# Altium PCB Fri3d_2020_Time_Blaster_01.PcbDoc (part 1 of 2) (continued)
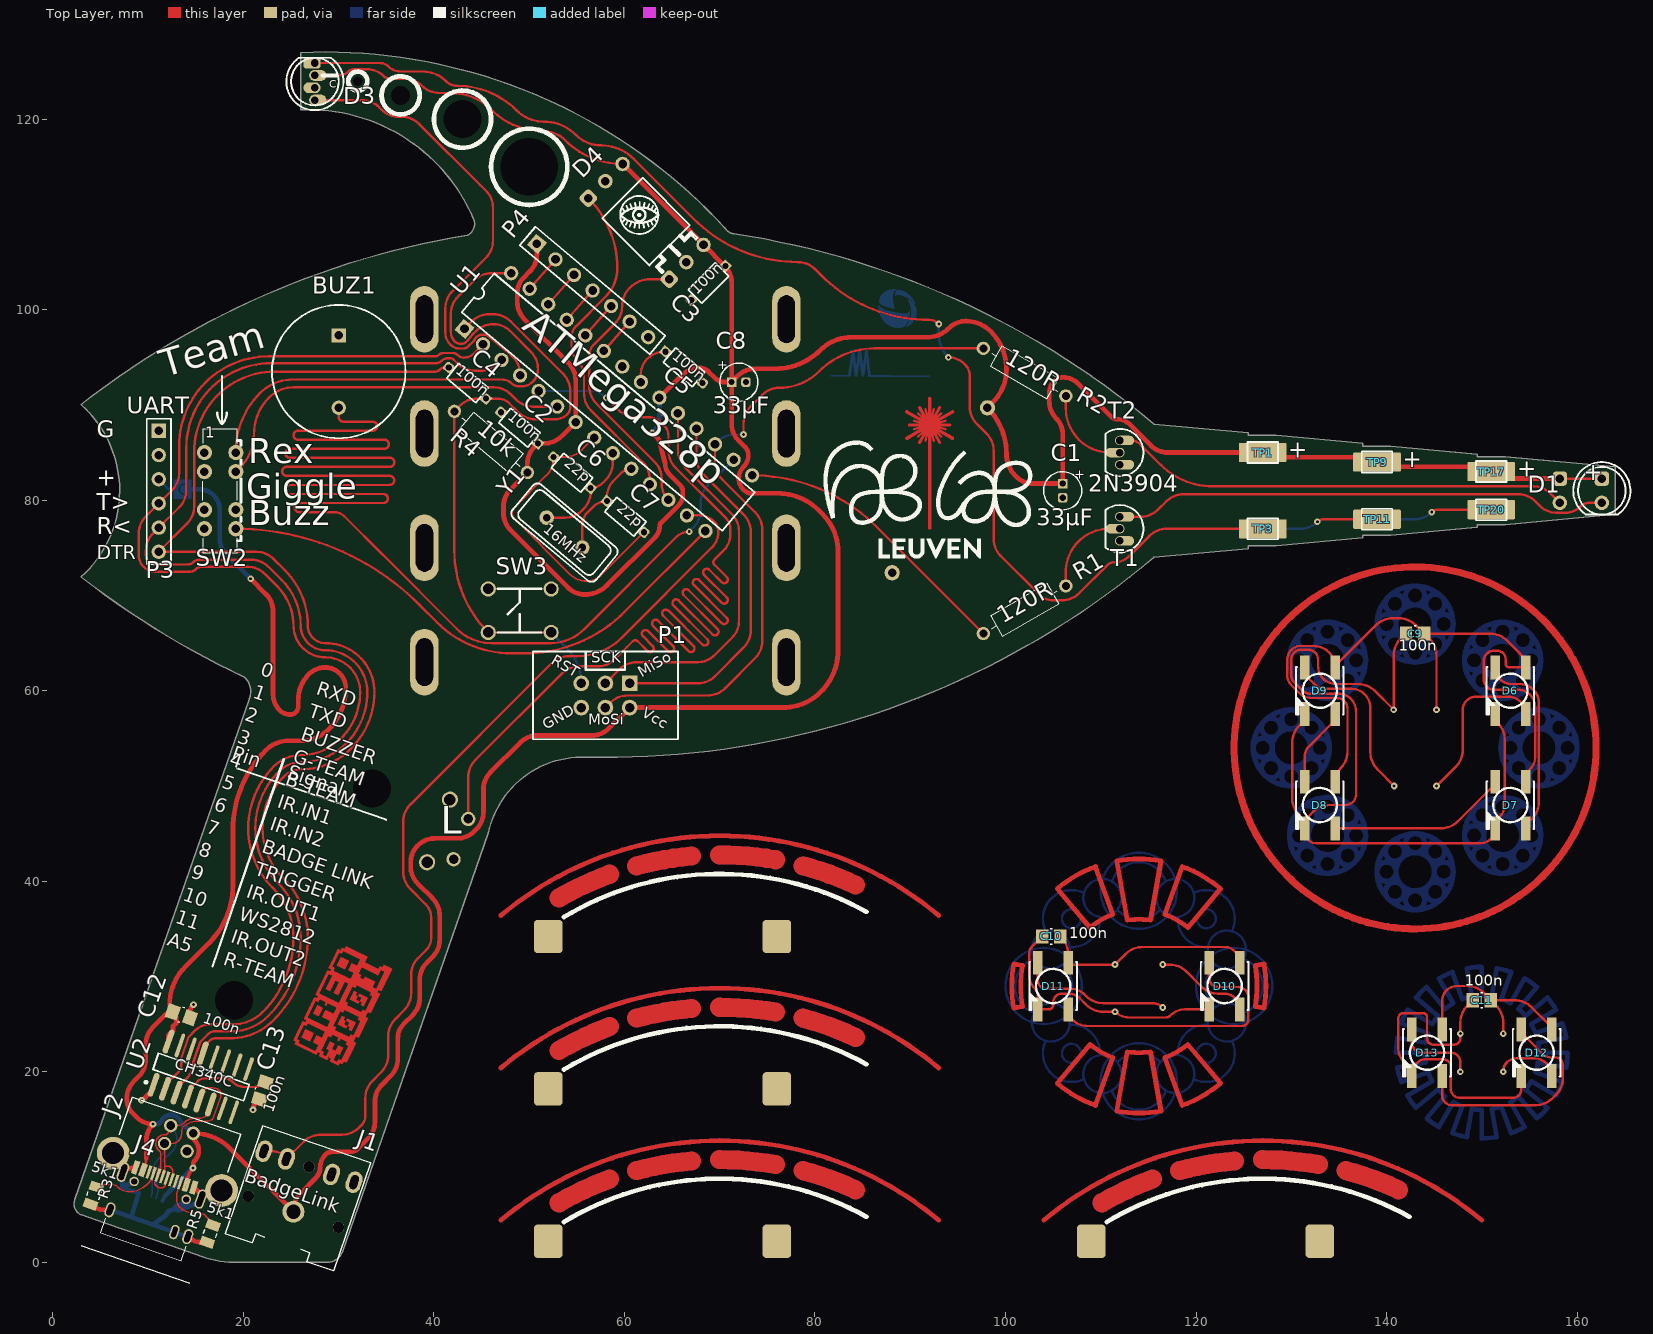
[diagram p0: Top Layer view]
## Part data
BAT1: library part "BAT 20mm Coin Cell Holder Generic", "=Description", Supplier 1=China
BUZ1: library part "BUZ CUI CEP-1162", "Crystal Oscillator", Supplier Part Number 1=102-1134-ND, Supplier 1=Digi-key, Supplier 2=LCSC, Supplier Part Number 2=C360604
C1 C8: library part "CAP 13uF 16V 4x7", "Capacitor electrolyt", Supplier Part Number 1=C3314, Supplier 1=LCSC
C2 C3 C4 C5: library part "CAP 100nF 50V 5.08mm", "Capacitor Ceramic", Supplier Part Number 1=C84772, Supplier 1=LCSC
C6 C7: library part "CAP 22pF 50V 5.08mm", "Capacitor Ceramic", Supplier Part Number 1=C263190, Supplier 1=LCSC
C9 C10 C11 C12 C13: library part "CAP # 100nF 16V 0805", "Capacitor Ceramic"
D1 D2: library part "LED IR 5mm TSAL6400", "=Description", Supplier Part Number 1=3152868, Supplier 1=Farnell
D3: library part "LED RGB WS2812 5mm", "=Description", Supplier Part Number 1=C190565, Supplier 1=LCSC
D4 D5: library part "PHO IR Rx RA", "=Description", Supplier Part Number 1=C264262, Supplier 1=LCSC
D6 D7 D8 D9 D10 D11 D12 D13: library part "LED # RGB WS2812B-5050 BL", "=Description", Supplier Part Number 1="WS2812B Black 5050", Supplier 1=Aliexpress
J1: library part "AUDIO JACK 3.5 3c SJ1-3525NG", "=Description", Supplier Part Number 1=CP1-3525NG-ND, Supplier 1=Digi-key
J2: library part "USB B VERTICAL 61400416121", Supplier Part Number 1=1642035, Supplier 1=Farnell, Supplier 2=LCSC, Supplier Part Number 2=C46392
J3: library part "USB # Micro B TH XKB U254-051T-4BH81-S2S", Supplier Part Number 1=C381144, Supplier 1=LCSC
J4: library part "USB # C 2.0 RCPT TYPE-C-31-M-12", Supplier Part Number 1="HRO TYPE-C-31-M-12", Supplier 1=China, Supplier 2=LCSC, Supplier 3="LCSC ALT", Supplier Part Number 2=C165948, Supplier Part Number 3="C167321 / C319148"
P1: library part "Pin Header 2.54mm dual row 6way Boxed"
P2: library part "SOLDER SW V 1MM"
P3: library part "Pin Header 2.54mm 6way"
P4: library part "Pin Header 2.54mm 7way"
R1 R2: library part "RES 120R 1/4W", Supplier Part Number 1=C58684, Supplier 1=LCSC
R3 R5: library part "RES # 5K1 0805"
R4: library part "RES 10k 1/4W", Supplier Part Number 1=C58673, Supplier 1=LCSC
SW1: library part "SW TACT RA 3,85mm 431256038716", Supplier Part Number 1=431256038716, Supplier 1=Wurth, Supplier 2=Mouser, Supplier Part Number 2=710-431256038716
SW2: library part "SW Slide DP3T C&K JS203011CQN", Supplier Part Number 1=401-2004-ND, Supplier 1=Digi-key, Supplier 2=LCSC, Supplier Part Number 2=K3-2336D-F1
SW3: library part "SW TACT"
T1 T2: library part "2N3904 NPN 0.2A", Supplier Part Number 1=1700648, Supplier 1=Farnell, Supplier 2=LCSC, Supplier Part Number 2=C118538
TP1 TP2 TP3 TP4 TP5 TP6 TP7 TP8 TP9 TP10 TP11 TP12 TP13 TP14 TP15 TP16 TP17 TP18 TP19 TP20 TP21 TP22 TP23 TP24: library part "TP # 2x3mm", Supplier Part Number 1="FOOTPRINT ONLY", Supplier 1=XXX
U1: library part "AVR ATMega 328p MCU PDIP", Supplier Part Number 1=C33901, Supplier 1=LCSC, Supplier 2=Mouser, Supplier Part Number 2=556-ATMEGA328P-PU
U2: library part "CH340C # UCB UART", "=Description", Supplier Part Number 1=C84681, Supplier 1=LCSC
Y1: library part "XTAL 16Mhz HC49US", "Crystal Oscillator", Supplier Part Number 1=2508458, Supplier 1=Farnell

## Free pads (board coordinates)
  round 0 hole 4 unplated mask+0.05: 1(19,27.5) 1(33.5,49.75) 1(43,120)
  round 0 hole 1 unplated mask+0.05: 1(32,124)
  round 0 hole 2 unplated mask+0.05: 1(36.5,122.5)
  round 0 hole 6 unplated mask+0.05: 1(50,115)
  oval 3x7 hole 1.8 slot 5 at 90 deg: 3(39,63) 3(39,75) 3(39,87) 3(39,99) 3(77,63) 3(77,75) 3(77,87) 3(77,99)
  rrect25% 3x3.5 smd: 5(52,2.2) 5(52,18.2) 5(52,34.2) 5(76,2.2) 5(76,18.2) 5(76,34.2) 5(109,2.2) 5(133,2.2)
  rrect25% 3x3.5 smd far side: 5(52,2.2) 5(52,18.2) 5(52,34.2) 5(76,2.2) 5(76,18.2) 5(76,34.2) 5(109,2.2) 5(133,2.2)

## Via types
v1: diameter 0.7, hole 0.3, Top Layer to Bottom Layer, 26 vias

## Nets (pads, with @x,y where several pads share a name; then routed paths per layer and width w, separated by ;. In a path a pad name is that pad's centre, name@x,y a point inside that pad or via, vN(x,y) a via of type N, cw(c..) or ccw(c..) an arc to the next point about the centre after c; other vN are vias at no path point)
A0: P4.6 U1.23 | length 4.1
  Top Layer w0.25: U1.23@57.83,95.668 P4.6@60.54,98.75
A1: P4.5 U1.24 | length 4.1
  Top Layer w0.25: U1.24@55.885,97.3 P4.5@58.594,100.383
A2: P4.4 U1.25 | length 4.1
  Top Layer w0.25: U1.25@53.939,98.933 P4.4@56.648,102.015
A3: P4.3 U1.26 | length 4.1
  Top Layer w0.25: U1.26@51.993,100.566 P4.3@54.703,103.648
A4: P4.2 U1.27 | length 4.1
  Top Layer w0.25: U1.27@50.047,102.198 P4.2@52.757,105.281
AREF: C5.1 U1.21 | length 4.7
  Top Layer w0.25: U1.21@61.722,92.402 61.722,93.239 cw(c63.984,93.239) 62.384,94.839 cw(c64.181,93.043) 64.181,95.583 C5.1@64.3,95.583
B_IN: D3.1 TP3.1 | length 133
  Top Layer w0.25: D3.1@27.4,125.9 34.284,125.9 cw(c34.284,124.534) 35.25,125.5 ccw(c36.457,126.707) 36.457,125 38.836,125 cw(c38.836,121.586) 41.25,124 ccw(c42.457,125.207) 42.457,123.5 cw(c42.457,114.701) 48.679,120.923 ccw(c51.51,123.755) 51.51,119.75 cw(c51.51,114.947) 54.907,118.343 ccw(c57.546,120.982) 57.546,117.25 cw(c57.546,112.412) 60.967,115.833 67.276,109.524 ccw(c78.198,120.446) 78.198,105 cw(c78.198,102.46) 79.994,104.256 80.623,103.627 ccw(c91.955,114.958) 91.955,98.933 cw(c91.955,97.455) v1(93,98.5) ; v1(94,95) cw(c94,92.586) 95.707,94.293 95.75,94.25 cw(c94.543,93.043) 96.25,93.043 96.25,89.802 ccw(c98.79,89.802) 96.994,88.006 98.006,86.994 cw(c96.21,85.198) 98.75,85.198 98.75,75.952 ccw(c101.29,75.952) 99.494,74.156 103.512,70.138 ccw(c105.052,71.678) 105.052,69.5 105.948,69.5 ccw(c105.948,72.04) 107.744,70.244 110.646,73.146 ; 110.647,73.147 cw(c111.5,72.293) 111.5,73.5 ccw(c111.5,75.552) 112.951,74.101 115.106,76.256 cw(c116.902,74.46) 116.902,77 TP3.1@127,77
  Bottom Layer w0.25: v1(93,98.5) 93,97.414 ccw(c96.414,97.414) v1(94,95)
Bi: D6.4 TP4.1 | length 17.4
  Top Layer w0.25: v1(145.25,50) 147.256,52.006 ccw(c145.46,53.802) 148,53.802 148,57.97 cw(c149.4,57.97) 149.4,59.37 152.78,59.37 cw(c152.78,57.55) D6.4@154.6,57.55
BLUE_TEAM: SW2.8 U1.14 | length 57.8
  Top Layer w0.25: SW2.8@19.2,77 cw(c19.2,49.719) 38.488,69.012 38.492,69.008 40.358,67.142 40.36,67.14 ccw(c48.122,74.902) 48.122,63.925 48.123,63.925 49.538,63.925 49.54,63.925 ccw(c49.54,78.687) 59.98,68.251 U1.14@68.498,76.769
Bo: D9.2 TP5.1 | length 18.4
  Top Layer w0.25: D9.2@131.4,62.45 ccw(c133.164,62.45) 131.917,61.202 132.343,60.776 ccw(c133.734,62.168) 133.734,60.2 136.3,60.2 cw(c136.3,58.2) 138.3,58.2 138.3,53.553 ccw(c140.84,53.553) 139.044,51.757 v1(140.801,50)
BUZZER: BUZ1.2 U1.16 | length 167.9
  Top Layer w0.25: BUZ1.2@30,89.7 30,89.4 30,88.727 ccw(c30.475,88.727) 30.475,88.252 33.561,88.252 cw(c33.561,87.777) 34.036,87.777 cw(c33.561,87.777) 33.561,87.302 25.731,87.302 ccw(c25.731,86.827) 25.256,86.827 ccw(c25.731,86.827) 25.731,86.352 34.794,86.352 cw(c34.794,85.877) 35.269,85.877 cw(c34.794,85.877) 34.794,85.402 24.862,85.402 ccw(c24.862,84.927) 24.387,84.927 ccw(c24.862,84.927) 24.862,84.452 35.369,84.452 cw(c35.369,83.977) 35.844,83.977 cw(c35.369,83.977) 35.369,83.502 24.535,83.502 ccw(c24.535,83.027) 24.06,83.027 ccw(c24.535,83.027) 24.535,82.552 35.346,82.552 cw(c35.346,82.077) 35.821,82.077 cw(c35.346,82.077) 35.346,81.602 24.924,81.602 ccw(c24.924,81.127) 24.449,81.127 ccw(c24.924,81.127) 24.924,80.652 34.69,80.652 cw(c34.69,80.177) 35.165,80.177 cw(c34.69,80.177) 34.69,79.702 25.847,79.702 ccw(c25.847,79.227) 25.372,79.227 ccw(c25.847,79.227) 25.847,78.752 29.537,78.752 cw(c29.537,77.277) 30.58,78.32 34.666,74.234 34.667,74.233 42.388,66.512 42.389,66.511 ccw(c46.036,70.157) 46.036,65 46.038,65 52.274,65 52.276,65 ccw(c52.276,69.887) 55.732,66.432 65.434,76.134 cw(c66.8,74.769) v1(66.8,76.7)
  Bottom Layer w0.25: v1(66.8,76.7) 67.256,77.156 ccw(c65.46,78.952) 68,78.952 68,79.736 cw(c70.54,79.736) 68.744,81.532 U1.16@71.451,84.239
D\T\R\: C4.2 P3.6 U2.13 | length 126.6
  Top Layer w0.25: U2.13@15.731,21.93 cw(c17.182,21.93) 16.156,22.956 16.5,23.3 cw(c16.983,22.817) 16.983,23.5 18.564,23.5 ccw(c18.564,29.985) 23.149,25.399 ccw(c14.457,34.092) 26.75,34.092 ccw(c17.919,34.092) 24.163,40.337 cw(c29.386,45.559) 22,45.559 cw(c29.703,45.559) 24.256,51.006 cw(c26.052,49.21) 26.052,51.75 ccw(c26.052,59.16) 31.292,53.92 ccw(c25.356,59.855) 33.75,59.855 ccw(c28.605,59.855) 28.605,65 cw(c28.605,66.855) 26.75,66.855 ccw(c18.555,66.855) 24.35,72.65 23.164,73.836 ccw(c21.368,72.04) 21.368,74.58 P3.6@11.113,74.58 14.081,77.548 ccw(c12.285,79.344) 14.825,79.344 14.825,85.065 cw(c23.26,85.065) 23.26,93.5 40.117,93.5 ccw(c40.117,94.183) 40.6,93.7 cw(c41.162,93.138) 41.161,93.933 C4.2@41.554,93.933
G_B: C9.2 D6.3 D7.3 D8.3 D9.3 TP8.1 | length 97.3
  Top Layer w0.25: D9.3@131.4,57.55 131.4,57.466 cw(c130.034,57.466) 131,56.5 130.844,56.344 ccw(c132.64,54.548) 130.1,54.548 130.1,48.69 ccw(c132.49,48.69) 130.8,47 cw(c129.351,45.551) D8.3@131.4,45.55 ; C9.2@142,66 141.494,65.494 ccw(c143.29,63.698) 140.75,63.698 v1(140.75,58) 138.794,59.956 ccw(c136.998,58.16) 136.998,60.7 134.7,60.7 cw(c134.7,62.6) 132.8,62.6 132.8,63.3 ccw(c131.8,63.3) 131.8,64.3 131,64.3 ccw(c131,63.301) 130.001,63.301 130.001,61.623 ccw(c131.023,61.623) 130.3,60.9 131.131,60.069 131.133,60.067 ccw(c132.061,60.996) 131.849,59.7 134.924,59.7 cw(c134.924,57.824) 136.8,57.824 136.8,49.1 cw(c135.7,49.1) 135.7,48 134.052,48 ccw(c134.052,45.46) 132.256,47.256 132,47 ccw(c133.449,45.551) D8.3@131.4,45.55 ; D6.3@151.577,57.123 cw(c152.004,57.55) D6.3@151.4,57.55 151.4,57.324 ccw(c152.424,57.324) 151.7,56.6 cw(c150.01,54.91) 152.4,54.91 152.4,48.007 cw(c150.693,48.007) 151.9,46.8 ccw(c153.107,45.593) 151.4,45.593 D7.3@151.4,45.55 cw(c149.85,45.55) 149.85,44 132.6,44 cw(c132.6,45.2) 131.4,45.2 D8.3@131.4,45.55 D8.3@131.4,45.55
G_M: C10.2 D10.3 D11.3 TP16.1 | length 28.5
  Top Layer w0.25: 102.504,32.456 102.504,30.138 ccw(c104.538,30.138) 103.1,28.7 cw(c102.376,27.976) 103.4,27.976 D11.3@103.4,26.55 104.55,26.55 ccw(c104.55,27) 105,27 105,27.3 cw(c105.9,27.3) 105.9,28.2 106.612,28.2 cw(c106.612,26.54) 107.786,27.714 108.456,27.044 ccw(c110.252,28.84) 110.252,26.3 v1(111.5,26.3) ccw(c112.949,27.749) 112.949,25.7 116.817,25.7 ccw(c116.817,26.383) 117.3,25.9 cw(c118.869,24.331) 118.869,26.55 D10.3@121.4,26.55 ; 102.504,32.457 cw(c103.463,32.457) 102.786,33.136 C10.2@103.85,34.2
G_S: C11.2 D12.3 D13.3 TP24.1 | length 38.8
  Top Layer w0.25: C11.2@149.05,27.5 148.494,26.944 ccw(c150.29,25.148) 147.75,25.148 v1(147.75,24) 147.75,23.5 cw(c147.1,23.5) 147.1,22.85 144.9,22.85 cw(c144.9,23.5) 144.25,23.5 144.25,25.72 ccw(c143.82,25.72) 143.82,26.15 141.75,26.15 ccw(c141.75,25.65) 141.25,25.65 141.25,22.4 ccw(c143.061,22.4) 141.78,21.12 142.438,20.462 142.438,19.762 ccw(c142.65,19.762) D13.3@142.65,19.55 cw(c144.581,19.55) 143.216,20.916 143.3,21 cw(c144.024,20.276) 144.024,21.3 145.95,21.3 cw(c145.95,20.5) 146.75,20.5 146.75,18.2 ccw(c147.7,18.2) 147.7,17.25 153.25,17.25 ccw(c153.25,18.15) 154.15,18.15 D12.3@154.15,19.55
GND: BAT1.2 BUZ1.1 C1.2 C2.2 C3.2 C5.2 C6.2 C7.2 C8.2 C12.2 C13.2 D3.3 D4.2 D5.2 J1.2 J1.4 J2.4 J2.MH1 J2.MH2 J3.5 J3.MH1 J3.MH2 J3.MH3 J3.MH4 J4.0 J4.A1 J4.A12 J4.B1 J4.B12 J4.MH1 J4.MH2 J4.MH3 J4.MH4 P1.6 P3.1 P3.2 P4.7 R3.2 R5.2 SW1.2 SW1.MH1 SW1.MH2 SW2.7 SW3.2 T1.3 T2.3 TP7.1 TP15.1 TP23.1 U1.8 U1.22 U2.1 | length 69.4
  Top Layer w0.2: U1.8@56.824,86.565 55.535,85.277 cw(c53.739,87.073) 53.739,84.533 C6.2@52.554,84.533 52.554,84.406 cw(c50.014,84.406) 51.81,82.61 48.483,79.283 ccw(c49.166,78.6) 48.2,78.6 ccw(c48.924,78.6) 48.412,78.088 54.256,72.244 ccw(c56.052,74.04) 56.052,71.5 ccw(c56.052,73.567) 57.514,72.106 C7.2@62.046,76.637
  Top Layer w0.5: R3.2@3.941,6.102 ccw(c5.399,7.56) 5.399,5.498 J4.MH2@5.986,5.498 ; J4.MH1@7.347,9.45 cw(c8.457,8.34) 8.457,9.91 J4.B12@8.7,9.91 ; v1@9.4,17 10.236,17.836 ccw(c9.441,18.632) U2.1@10.566,18.632 ; J4.MH3@14.155,2.685 ccw(c15.563,4.093) 15.563,2.102 R5.2@16.191,2.102 ; C12.2@14.375,25.659 14.375,26.145 cw(c15.655,26.145) v1(14.75,27.05) ; J4.A12@14.921,7.81 15.108,7.622 cw(c14.123,6.637) J4.MH4@15.516,6.637 ; v1(21,16) cw(c21.992,16) 21.291,16.702 C13.2@21.691,17.102
  Bottom Layer w0.5: J4.MH2@5.986,5.498 J3.MH4@8.232,4.725 ; J4.MH1@7.347,9.45 J3.MH4@7.282,8.099 ; J4.0@8.526,8.483 cw(c7.6,9.409) 7.6,8.099 J3.MH4@7.282,8.099 ; J4.MH3@14.155,2.685 J3.MH1@12.746,3.17 J3.MH3@10.501,3.943 ; J4.MH4@15.516,6.637 15.359,6.48 cw(c13.563,8.276) 13.563,5.736 J3.MH3@13.128,5.736 12.126,5.371 11.9,5 11.6,4.7 11.562,4.674 J3.MH3@10.501,3.943 ; J3.MH4@7.282,8.099 J3.MH4@7.265,7.754 J3.5@9.008,7.286 J3.MH4@8.232,4.725 ; J3.MH4@8.232,4.725 J3.MH3@10.501,3.943 ; J3.MH4@8.232,4.725 J3.MH3@10.501,3.943
  Bottom Layer w1: J3.MH3@13.128,5.736 ccw(c13.128,6.599) 13.991,6.599 J4.0@13.991,6.601
  other v1: 9.3,17
GREEN_TEAM: SW2.6 U1.6 | length 39.9
  Top Layer w0.25: SW2.6@19.2,83 19.633,83.433 ccw(c16.092,86.975) 21.1,86.975 cw(c26.473,86.975) 22.674,90.774 cw(c25.272,88.175) 25.272,91.85 46.273,91.85 cw(c46.273,89.31) 48.069,91.106 48.601,90.574 ccw(c50.397,92.37) 50.397,89.83 U1.6@52.932,89.83
IR.IN1: D5.1 U1.11 | length 35.6
  Top Layer w0.25: D5.1@56.204,111.704 cw(c48.85,104.35) 59.25,104.35 cw(c55.018,104.35) 58.011,101.358 54.903,98.25 ccw(c56.025,97.128) 54.438,97.128 54.438,96.116 ccw(c56.378,96.116) 55.006,94.744 cw(c53.21,92.948) 55.75,92.948 55.75,91.202 ccw(c58.29,91.202) 56.494,89.406 61.917,83.983 cw(c60.121,82.187) 62.661,82.187 U1.11@62.661,81.667
IR.IN2: D4.1 U1.12 | length 31.2
  Top Layer w0.25: U1.12@64.607,80.034 cw(c66.313,81.741) 63.9,81.741 63.9,82.248 ccw(c61.36,82.248) 63.156,84.044 57.044,90.156 cw(c58.84,91.952) 56.3,91.952 56.3,95.154 cw(c58.007,95.154) 56.8,96.361 59.006,98.567 ccw(c57.21,100.363) 59.75,100.363 cw(c62.494,100.363) 60.554,102.304 cw(c62.727,100.131) 62.727,103.204 D4.1@64.704,103.204
IR.OUT1: R1.2 U1.15 | length 30.4
  Top Layer w0.25: U1.15@73.396,82.606 cw(c73.396,64.096) 86.485,77.185 R1.2@97.67,66
IR.OUT2: P1.4 R2.2 U1.17 | length 74.8
  Top Layer w0.25: P1.4@58,58.23 58.526,58.756 cw(c60.322,56.96) 60.322,59.5 68.748,59.5 ccw(c68.748,62.04) 70.544,60.244 73.731,63.431 ccw(c71.935,65.227) 74.475,65.227 74.475,76.923 ccw(c71.935,76.923) 73.731,78.719 70.249,82.201 cw(c72.045,83.997) 69.505,83.997 U1.17@69.505,85.872 ; v1(72.5,86.9) 72.5,88.048 cw(c75.04,88.048) 73.244,89.844 74.456,91.056 cw(c76.252,89.26) 76.252,91.8 ccw(c76.252,97.72) 80.438,93.534 cw(c86.239,87.733) 86.239,95.937 R2.2@97.67,95.937
  Bottom Layer w0.25: U1.17@69.505,85.872 69.789,86.156 cw(c71.585,84.36) 71.585,86.9 v1(72.5,86.9)
M_IN: TP6.1 TP11.1 | length 12.3
  Top Layer w0.25: v1(132.744,77.744) cw(c133.362,77.126) 133.362,78 TP11.1@139,78
  Bottom Layer w0.25: TP6.1@127,77 130.948,77 ccw(c130.948,79.54) v1(132.744,77.744)
Mi: D10.4 TP12.1 | length 9.9
  Top Layer w0.25: v1(116.5,31.25) 117.198,31.25 cw(c117.198,28.71) 118.994,30.506 120.556,28.944 ccw(c122.352,30.74) 122.352,28.2 123.034,28.2 cw(c123.034,26.834) 124,27.8 124.317,27.483 cw(c123.634,26.8) D10.4@124.6,26.8
MISO: P1.1 U1.18 | length 38.7
  Top Layer w0.25: P1.1@60.54,60.77 67.693,60.77 ccw(c67.693,63.31) 69.489,61.514 72.506,64.531 ccw(c70.71,66.327) 73.25,66.327 73.25,76.698 ccw(c70.71,76.698) 72.506,78.494 68.303,82.697 cw(c70.099,84.493) 67.559,84.493 U1.18@67.559,87.504
Mo: D11.2 TP13.1 | length 16
  Top Layer w0.25: D11.2@103.4,31.45 103.4,29.6 ccw(c104.3,29.6) 104.3,28.7 106.851,28.7 cw(c106.851,26.651) 108.3,28.1 108.456,27.944 ccw(c110.252,29.74) 110.252,27.2 115.414,27.2 cw(c115.414,25.664) v1(116.5,26.75)
NetC13_1: C13.1 U2.4 | length 9.5
  Top Layer w0.25: U2.4@14.168,17.392 cw(c15.561,17.392) 14.576,18.376 15.2,19 cw(c15.924,18.276) 15.924,19.3 17.934,19.3 cw(c17.934,17.934) 18.9,18.9 ccw(c20.107,20.107) 20.107,18.4 21.106,18.4 ccw(c21.106,20.101) C13.1@22.309,18.898
NetD1_2: D1.2 T1.1 | length 52.2
  Top Layer w0.25: T1.1@112,78.27 114.218,78.27 ccw(c114.218,80.81) 116.014,79.014 116.878,79.878 cw(c118.674,78.082) 118.674,80.622 153.826,80.622 cw(c153.826,78.082) 155.622,79.878 156.1,79.4 ccw(c157.807,81.107) 157.807,78.693 158.835,78.693 ccw(c158.835,80.765) 159.231,78.731 ccw(c158.835,80.765) 160.3,79.3 cw(c161.338,78.262) 161.338,79.73 D1.2@162.6,79.73
NetD2_2: D2.2 T2.1 | length 48.4
  Top Layer w0.25: T2.1@112,86.27 113.207,86.27 cw(c113.207,85.007) 114.099,85.901 ; 114.1,85.9 116.27,83.73 ccw(c121.777,89.238) 121.777,81.449 155.429,81.449 cw(c155.429,78.909) 157.225,80.705 D2.2@158.2,79.73
NetD6_2: D6.2 D7.4 | length 20.8
  Top Layer w0.25: D6.2@151.576,62.024 cw(c152.004,62.45) D6.2@151.4,62.45 ccw(c153.15,62.45) 152.458,60.842 ccw(c153.15,62.45) 153.15,60.7 154,60.7 cw(c154,58.7) 156,58.7 156,48.352 cw(c153.46,48.352) 155.256,46.556 154.847,46.147 ccw(c155.445,45.55) D7.4@154.6,45.55
NetD7_2: D7.2 D8.4 | length 18.8
  Top Layer w0.25: D8.4@134.6,45.55 145.698,45.55 ccw(c145.698,48.09) 147.494,46.294 151.223,50.023 ccw(c150.796,50.45) D7.2@151.4,50.45
NetD8_2: D8.2 D9.4 | length 8.8
  Top Layer w0.25: D8.2@131.4,50.45 131.4,53.048 cw(c132.974,53.048) 131.861,54.161 134.14,56.44 ccw(c133.031,57.55) D9.4@134.6,57.55 cw(c133.996,57.55) D9.4@134.423,57.123
NetD10_2: D10.2 D11.4 | length 29.4
  Top Layer w0.25: D11.4@106.6,26.55 ccw(c108.169,26.55) 107.06,25.44 ccw(c108.606,26.986) 108.606,24.8 124.8,24.8 ccw(c124.8,25.5) 125.5,25.5 125.5,27.8 ccw(c124.4,27.8) 124.4,28.9 122.3,28.9 cw(c122.3,29.8) 121.4,29.8 D10.2@121.4,31.45
NetD12_2: D12.2 D13.4 | length 24.4
  Top Layer w0.25: D13.4@145.85,19.55 145.85,17.5 ccw(c146.85,17.5) 146.85,16.5 155.648,16.5 ccw(c155.648,19.04) 157.444,17.244 157.8,17.6 ccw(c156.11,19.29) 158.5,19.29 158.5,20.75 ccw(c157.75,20.75) 157.75,21.5 157.25,21.5 cw(c157.25,22.707) 156.396,21.854 154.397,23.853 cw(c154.995,24.45) D12.2@154.15,24.45
NetJ4_A5: J4.A5 R3.1 | length 7.2
  Top Layer w0.15: R3.1@4.559,7.898 cw(c5.119,7.339) 5.119,8.13 6.303,8.13 cw(c6.303,7.486) 6.759,7.941 ccw(c8.066,9.249) 6.76,7.94 ccw(c8.066,9.249) 8.066,7.4 ccw(c8.066,9.897) 9.831,8.131 10.161,8.461 ccw(c9.324,9.3) 10.509,9.3 J4.A5@10.547,9.316
NetJ4_B5: J4.B5 R5.1 | length 6.9
  Top Layer w0.15: J4.B5@13.384,8.339 13,7.224 13,6.569 ccw(c14.178,6.569) 13.345,5.736 ccw(c14.638,7.029) 14.638,5.2 15.134,5.2 cw(c15.134,3.834) 16.1,4.8 16.673,4.227 cw(c16.345,3.898) R5.1@16.809,3.898
NetR1_1: R1.1 T1.2 | length 9.7
  Top Layer w0.25: R1.1@106.33,71 106.33,72.457 cw(c110.873,72.457) 110.873,77 T1.2@112,77
NetR2_1: R2.1 T2.2 | length 9.6
  Top Layer w0.25: R2.1@106.33,90.937 106.33,89.648 ccw(c110.979,89.648) 110.979,85 T2.2@112,85
OWI: J1.3 J1.5 U1.13 | length 97.3
  Top Layer w0.25: J1.3@22.4,11.655 22.898,11.655 cw(c22.898,9.115) J1.5@24.638,10.966 ; J1.5@24.514,10.842 J1.5@24.638,10.966 ; U1.13@66.553,78.402 67.887,78.402 cw(c67.887,76.262) 69.4,77.775 cw(c68.314,76.689) 69.85,76.689 cw(c67.463,76.689) 69.151,75.001 59.724,65.574 cw(c55.02,70.276) 55.02,63.625 55.018,63.625 54.125,63.625 ccw(c54.125,61.09) 52.333,62.883 37.519,48.069 ccw(c39.315,46.273) 36.775,46.273 36.775,40.977 ccw(c39.315,40.977) 37.519,39.181 39.134,37.566 cw(c37.769,36.2) 39.7,36.2 39.7,34.007 cw(c37.993,34.007) 39.2,32.8 38.307,31.907 ccw(c40.014,30.2) 37.6,30.2 37.6,28.252 cw(c35.06,28.252) 36.856,26.456 35.944,25.544 ccw(c37.74,23.748) 35.2,23.748 35.2,21.752 cw(c32.66,21.752) 34.456,19.956 33.544,19.044 ccw(c35.34,17.248) 32.8,17.248 32.8,15.366 cw(c31.434,15.366) 32.4,14.4 32.144,14.144 cw(c30.348,15.94) 30.348,13.4 28.125,13.4 ccw(c28.125,10.86) 26.329,12.656 J1.5@24.638,10.966
R\S\T\: C4.1 P1.5 R4.2 SW3.1 U1.1 | length 68.2
  Top Layer w0.25: U1.1@43.204,97.994 44.017,98.807 cw(c45.75,97.074) 45.75,99.525 46.248,99.525 cw(c46.248,96.985) 48.044,98.781 53.556,93.269 cw(c51.76,91.473) 54.3,91.473 54.3,89.749 cw(c53.276,89.749) 54,89.025 cw(c52.733,90.292) 52.733,88.5 50.627,88.5 cw(c50.627,91.04) 48.831,89.244 47.9,90.175 ccw(c46.711,88.986) 46.711,90.667 C4.1@45.446,90.667 44.531,90.667 ccw(c44.531,88.127) 42.735,89.923 R4.2@42.14,89.328 42.14,74.705 ccw(c54.289,74.705) SW3.1@45.698,66.114 SW3.1@52.302,66.114
  Bottom Layer w0.25: SW3.1@52.302,66.114 53.914,64.502 cw(c50.183,60.77) P1.5@55.46,60.77
RED_TEAM: SW2.5 U1.28 | length 61.2
  Top Layer w0.25: SW2.5@19.2,85 19.2,85.115 cw(c27.886,85.115) 21.744,91.256 cw(c25.169,87.832) 25.169,92.675 47.149,92.675 cw(c47.149,91.224) 48.175,92.25 ccw(c48.899,92.974) 48.899,91.95 49.25,91.95 ccw(c49.25,93.459) 50.317,92.392 50.377,92.452 ccw(c49.054,93.775) 50.925,93.775 ccw(c48.39,93.775) 50.183,95.567 47.964,97.786 ccw(c46.3,96.121) 46.3,98.475 46.178,98.475 ccw(c46.178,95.935) 44.382,97.731 44.092,97.441 ; U1.28@48.102,103.831 46.033,103.831 ccw(c46.033,101.291) 44.237,103.087 42.519,101.369 ccw(c44.315,99.573) 41.775,99.573 41.775,97.676 ccw(c43.226,97.676) 42.2,96.65 ccw(c42.743,97.193) 42.743,96.425 42.95,96.425 ccw(c42.95,96.959) 43.328,96.582 cw(c43.505,96.405) 43.329,96.583 43.49,96.742 ccw(c43.296,96.937) 43.506,96.76 44.035,97.384 ; 44.035,97.384 cw(c44.226,97.222) 44.05,97.4 cw(c45.438,96.012) 44.092,97.441 ; 44.035,97.384 44.092,97.441
RXD: P3.4 U1.2 U2.2 | length 139.6
  Top Layer w0.25: U2.2@11.767,18.219 cw(c12.565,18.219) 12.001,18.783 12.968,19.75 ccw(c11.682,21.035) 13.5,21.035 13.5,21.5 14.233,23.627 14.917,24.312 cw(c16.578,22.652) 16.578,25 18.978,25 ccw(c18.978,29.278) 22.003,26.253 ccw(c14.164,34.092) 25.25,34.092 ccw(c17.919,34.092) 23.103,39.276 cw(c29.386,45.559) 20.5,45.559 cw(c29.703,45.559) 23.195,52.067 cw(c26.052,49.21) 26.052,53.25 ccw(c26.052,59.16) 30.231,54.981 ccw(c25.356,59.855) 32.25,59.855 ccw(c28.605,59.855) 28.605,63.5 cw(c28.605,66.855) 25.25,66.855 ccw(c19.469,66.855) 23.557,70.943 22.244,72.256 ccw(c20.448,70.46) 20.448,73 15.604,73 ccw(c15.604,72.146) 15,72.75 cw(c14.396,73.354) 14.396,72.5 10.75,72.5 cw(c10.75,74.25) 9,74.25 9,76.494 cw(c11.54,76.494) 9.744,78.291 P3.4@11.113,79.66 12.506,81.053 ccw(c10.71,82.849) 13.25,82.849 13.25,85.705 cw(c22.645,85.705) 22.645,95.1 40.138,95.1 ccw(c40.138,95.612) 40.5,95.25 cw(c40.983,94.767) 40.983,95.45 41.992,95.45 cw(c41.992,94.767) 42.475,95.25 ccw(c43.139,95.914) 43.139,94.975 43.15,94.975 ccw(c43.15,96.455) 44.197,95.409 U1.2@45.149,96.361
S_IN: TP14.1 TP20.1 | length 12.3
  Top Layer w0.25: v1(144.744,78.744) cw(c145.362,78.126) 145.362,79 TP20.1@151,79
  Bottom Layer w0.25: TP14.1@139,78 142.948,78 ccw(c142.948,80.54) v1(144.744,78.744)
S_OUT: TP19.1
SCK: P1.3 U1.19 | length 41.3
  Top Layer w0.25: P1.3@58,60.77 59.486,62.256 cw(c61.282,60.46) 61.282,63 67.673,63 ccw(c67.673,65.54) 69.469,63.744 71.281,65.556 ccw(c69.485,67.352) 72.025,67.352 72.025,76.723 ccw(c69.485,76.723) 71.281,78.519 66.357,83.443 cw(c68.153,85.239) 65.613,85.239 U1.19@65.613,89.137
Si: D12.4 TP21.1 | length 7
  Top Layer w0.25: v1(152.25,20) 152.25,20.05 cw(c153.6,20.05) 153.6,21.4 155.543,21.4 cw(c155.543,19.693) 156.75,20.9 156.82,20.83 cw(c155.539,19.55) D12.4@157.35,19.55
So: D13.2 TP22.1 | length 8.6
  Top Layer w0.25: D13.2@142.65,24.45 142.65,23.1 ccw(c143.75,23.1) 143.75,22 146.75,22 cw(c146.75,21) 147.75,21 v1(147.75,20)
TRIGGER: SW1.1 U1.5 | length 136.5
  Top Layer w0.25: SW1.1@43.594,46.537 43.594,50.917 cw(c46.134,50.917) 44.338,52.713 53.431,61.806 cw(c55.227,60.01) 55.227,62.55 57.173,62.55 ccw(c57.173,65.09) 58.969,63.294 60.237,64.562 60.862,65.187 cw(c61.13,64.919) 61.398,65.187 62.417,64.168 ccw(c62.685,64.436) 62.953,64.704 61.929,65.728 cw(c62.197,65.996) 62.465,66.264 64.561,64.168 ccw(c64.829,64.436) 65.097,64.168 ccw(c64.829,64.436) 65.097,64.704 63.001,66.8 cw(c63.269,67.067) 63.537,67.335 66.705,64.168 ccw(c66.973,64.436) 67.241,64.704 64.073,67.871 cw(c64.341,68.139) 64.073,68.407 cw(c64.341,68.139) 64.609,68.407 68.157,64.859 ccw(c68.425,65.127) 68.693,65.395 65.145,68.943 cw(c65.413,69.211) 65.681,69.479 69.229,65.931 ccw(c69.497,66.199) 69.765,65.931 ccw(c69.497,66.199) 69.765,66.467 66.217,70.015 cw(c66.485,70.283) 66.753,70.551 70.196,67.108 ccw(c70.464,67.376) 70.732,67.644 67.289,71.087 cw(c67.557,71.355) 67.289,71.623 cw(c67.557,71.355) 67.825,71.623 70.196,69.252 ccw(c70.464,69.52) 70.732,69.788 68.361,72.159 cw(c68.629,72.427) 68.897,72.695 70.196,71.396 ccw(c70.464,71.664) 70.732,71.396 ccw(c70.464,71.664) 70.732,71.932 69.438,73.227 cw(c69.706,73.495) 69.438,73.763 69.885,74.21 70.411,74.736 ccw(c68.746,76.4) 71.1,76.4 71.1,77.025 ccw(c69.531,77.025) 70.64,78.135 65.369,83.406 cw(c67.165,85.202) 64.625,85.202 64.625,86.75 ccw(c63.116,86.75) 64.183,87.817 63.825,88.175 ccw(c62.497,86.847) 62.497,88.725 61.177,88.725 cw(c61.177,91.265) 59.381,89.469 v1(58.1,90.75)
  Bottom Layer w0.25: U1.5@50.987,91.463 56.378,91.463 cw(c56.378,89.028) v1(58.1,90.75)
TXD: P3.5 U1.3 U2.3 | length 140.3
  Top Layer w0.25: U2.3@12.968,17.805 cw(c13.963,17.805) 13.259,18.509 14.008,19.258 ccw(c12.266,21) 14.73,21 15.462,23.127 16.256,23.921 cw(c17.05,23.127) 17.05,24.25 18.771,24.25 ccw(c18.771,29.632) 22.576,25.826 ccw(c14.311,34.092) 26,34.092 ccw(c17.919,34.092) 23.633,39.806 cw(c29.386,45.559) 21.25,45.559 cw(c29.703,45.559) 23.726,51.536 cw(c26.052,49.21) 26.052,52.5 ccw(c26.052,59.16) 30.761,54.451 ccw(c25.356,59.855) 33,59.855 ccw(c28.605,59.855) 28.605,64.25 cw(c28.605,66.855) 26,66.855 ccw(c19.303,66.855) 24.038,71.591 22.623,73.006 ccw(c20.827,71.21) 20.827,73.75 15.333,73.75 ccw(c15.333,72.896) 14.73,73.5 cw(c14.126,74.104) 14.126,73.25 10.75,73.25 cw(c10.75,74.25) 9.75,74.25 9.75,74.704 cw(c12.29,74.704) 10.494,76.501 P3.5@11.113,77.12 13.256,79.263 ccw(c11.46,81.059) 14,81.059 14,85.505 cw(c22.87,85.505) 22.87,94.375 40.144,94.375 ccw(c40.144,95.34) 40.827,94.658 cw(c41.412,94.073) 40.968,94.771 cw(c41.412,94.073) 41.412,94.9 41.713,94.9 cw(c41.713,94.388) 42.075,94.75 42.506,94.319 ccw(c44.302,96.115) 44.302,93.575 44.89,93.575 ccw(c44.89,96.115) 46.686,94.319 U1.3@47.095,94.728
USB.D_n: J2.2 J3.2 J4.A7 J4.B7 U2.6 | length 23.5
  Top Layer w0.15: J4.A7@11.966,8.827 cw(c10.513,8.827) 11.54,7.8 11.052,7.8 10.72,8.132 10.674,8.177 cw(c11.955,8.177) 11.049,9.083 J4.B7@11.02,9.153 ccw(c10.345,9.828) 11.3,9.828 11.3,11.334 ccw(c9.934,11.334) 11.279,11.573 ccw(c11.131,11.547) 11.212,11.674 cw(c11.715,12.462) 10.798,12.28 cw(c11.715,12.462) 11.827,13.39 ccw(c11.845,13.539) 11.951,13.433 12.009,13.491 ccw(c11.147,14.353) J2.2@12.366,14.353 13.062,14.353 ccw(c13.062,15.538) 13.494,14.435 ccw(c13.44,14.574) 13.542,14.465 cw(c15.149,12.751) 13.881,14.729 cw(c14.777,13.833) 14.777,15.1 15.4,15.1 ccw(c15.4,16.066) 16.083,15.383 16.1,15.4 ccw(c14.965,16.535) 16.57,16.535 U2.6@16.57,16.565
  Bottom Layer w0.15: J3.2@10.852,6.651 10.852,6.844 10.852,6.869 11.078,7.526 11.078,7.913 ccw(c10.813,7.913) 11,8.1 cw(c11.241,8.341) 10.9,8.341 10.9,9 cw(c13.391,9) 11.63,10.761 12.487,11.619 ccw(c11.278,12.828) 12.51,11.642 ccw(c11.278,12.828) 12.895,12.271 ccw(c11.069,12.9) 13,12.9 ccw(c11.023,12.9) 12.421,14.297 J2.2@12.366,14.353